# Allegro board 1155001-Timing_board_V3_20241024_1805_pcb.brd (continued)
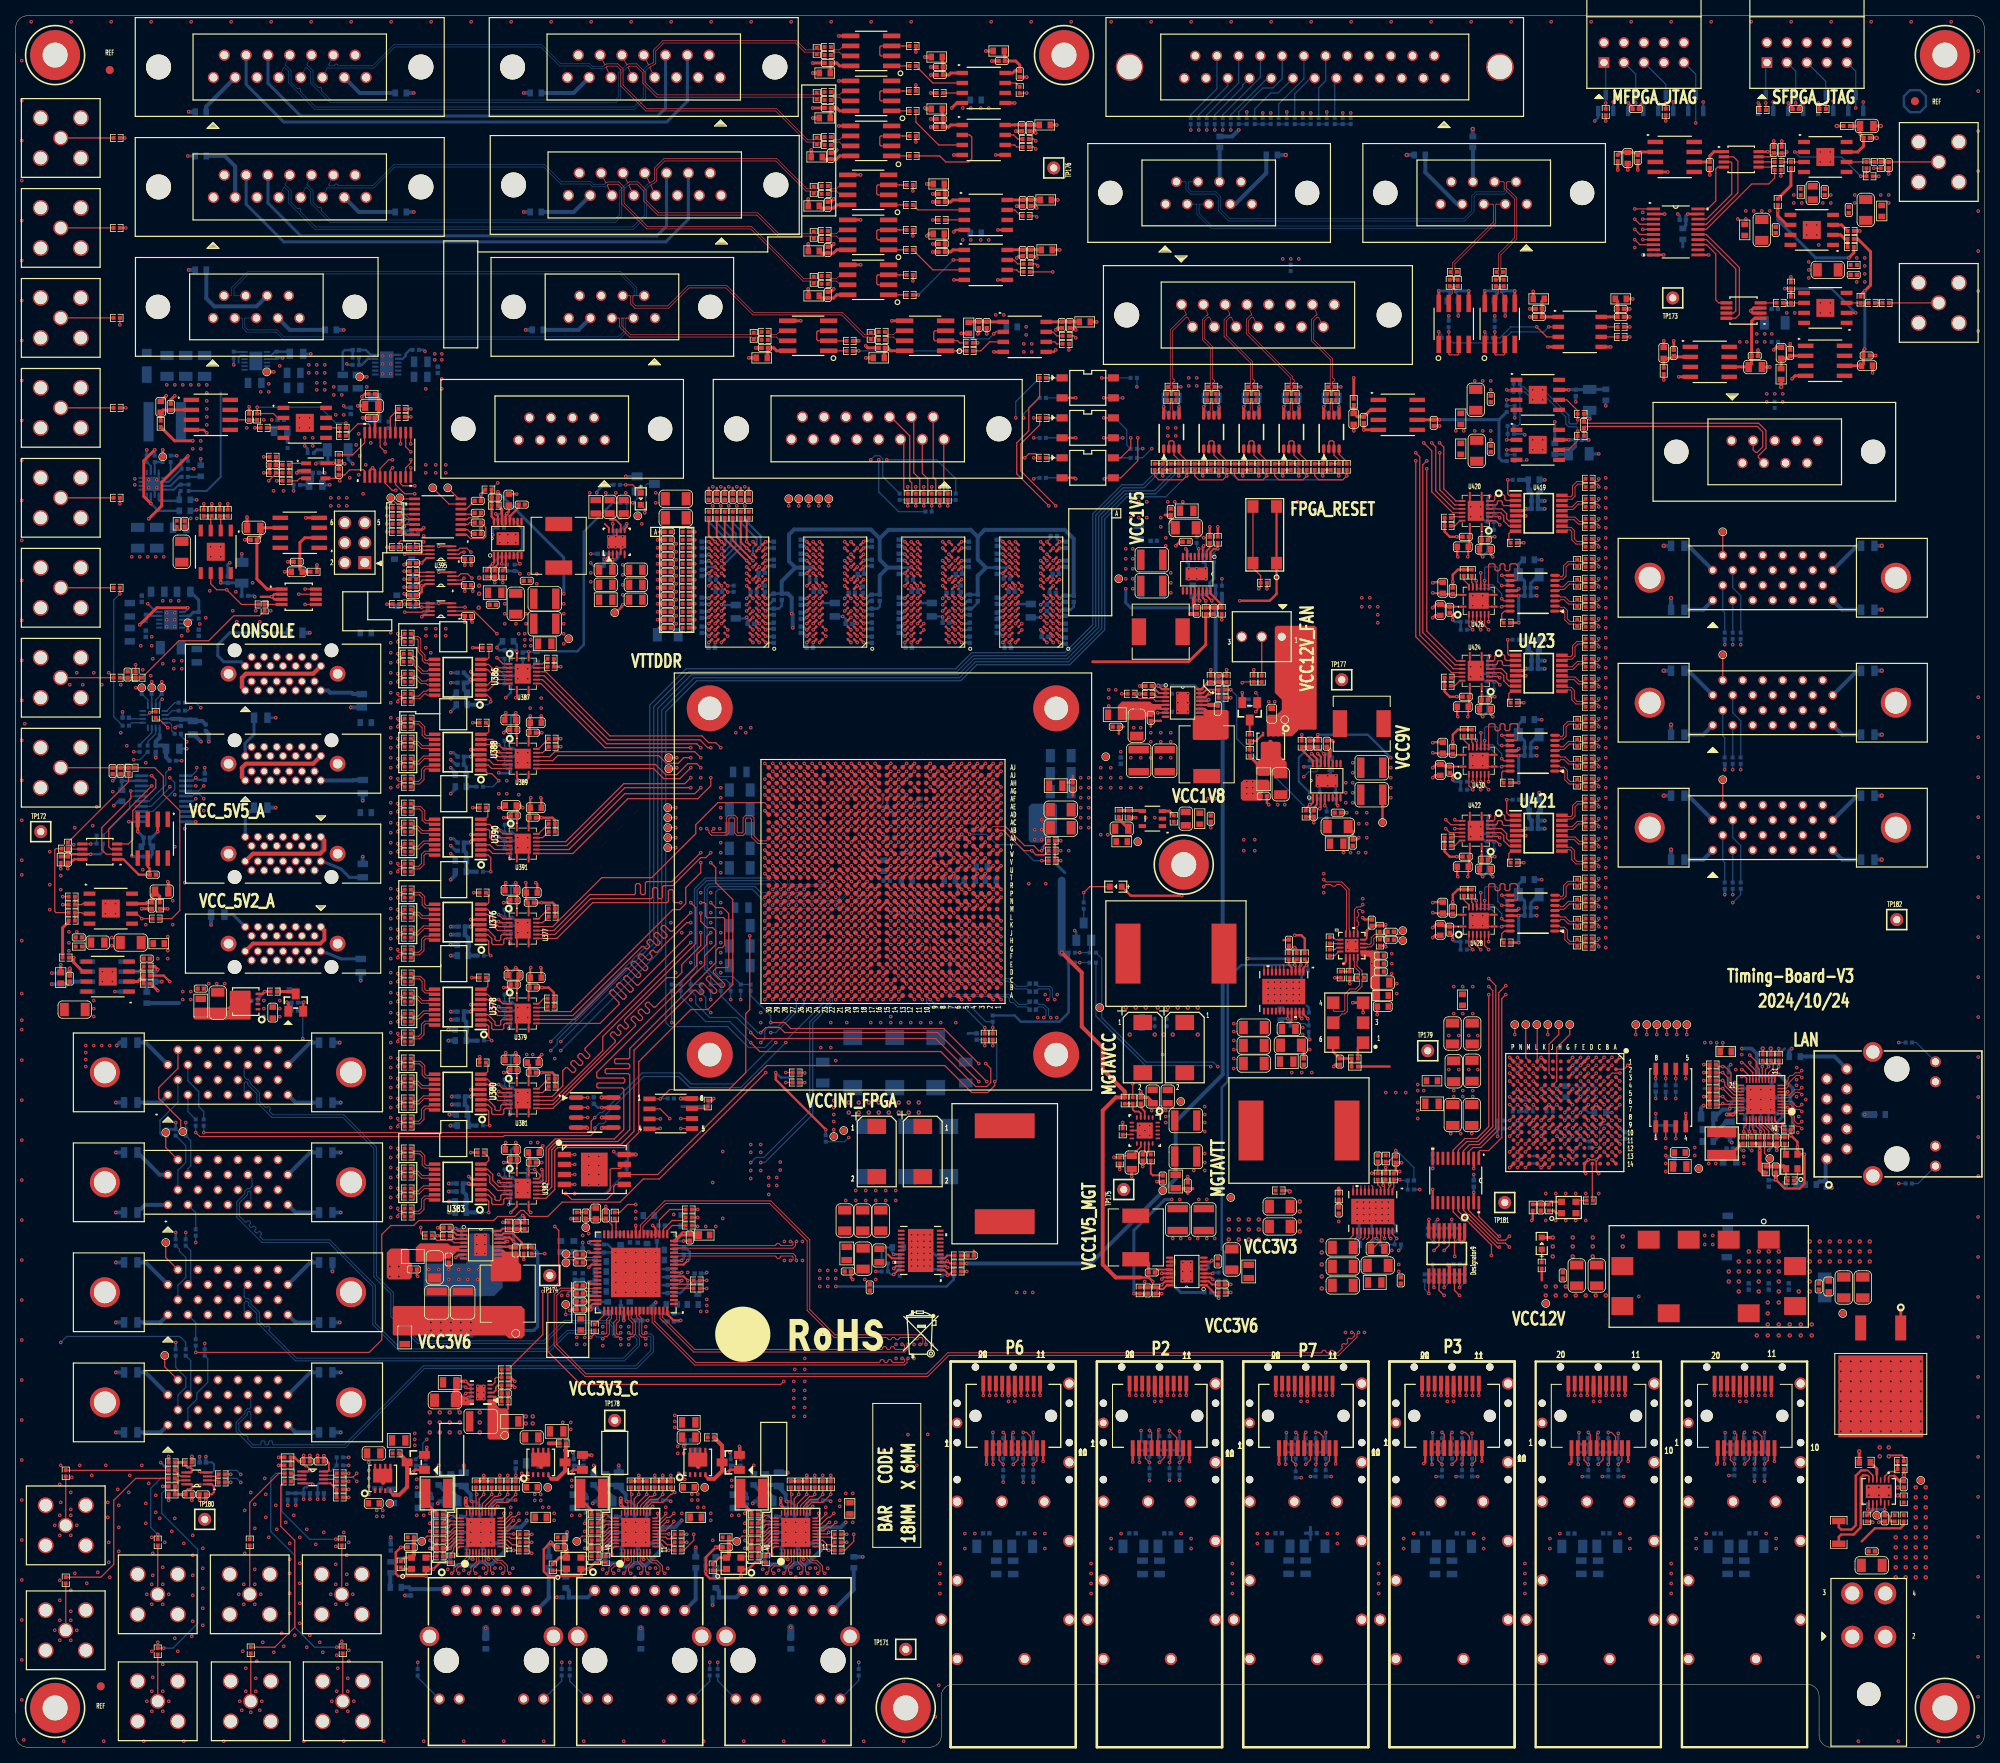
[diagram p0: board, top side]
## Routing (per net, layer and track width the routed paths; a pad name or vN(x,y) marks a point on that pad's centre or on a via; arc(x,y) is an arc through that point) (continued)
RF_SYNC_4_P: length 55
  TOP w0.157: v1(103.14,111) U247.U22 ; v1(85.72,107.31) 86.36,106.68 86.36,102.11 74.55,90.3 74.55,88.52 68.21,82.18 U381.12
  ART08 w0.102: v1(103.14,111) 102.63,110.49 101.98,110.49 101.35,109.86 101.35,109.22 100.52,108.4 94.81,108.4 94.61,108.2
  ART08 w0.117: 94.61,108.2 94.42,108.01 89.98,108.01 89.71,107.75 86.16,107.75 v1(85.72,107.31)
RF_SYNC_4_P_C: length 46.5
  TOP w0.122: v1(48.51,84.96) 48.51,84.74 48.64,84.62 49.04,84.62 R2928.2
  ART03 w0.099: v1(48.51,84.96) 48.18,84.63 47.37,84.63 45.64,82.89 45.64,82.47 46.05,82.06 46.05,81.92 45.77,81.64 45.63,81.64 45.22,82.05 44.8,82.05 44.31,81.57 44.31,81.14 44.73,80.73 44.73,80.59 44.44,80.31 44.3,80.31 43.89,80.72 43.47,80.72 42.99,80.24 42.99,79.82 43.4,79.41 43.4,79.27 43.12,78.99 42.98,78.99 42.57,79.4 42.14,79.4 41.66,78.92 41.66,78.49 42.07,78.08 42.07,77.94 41.79,77.66 41.65,77.66 41.24,78.07 40.82,78.07 37.76,75.01 37.76,66.44 36.44,65.12 32.5,65.12 29.59,62.21 29.59,60.33 30.48,59.44 30.48,57.13 J94.10
RF_SYNC_4_P_H: length 4.9
  TOP w0.157: U381.5 61.21,82.18 60.2,83.19 60.2,83.95 59.92,84.22 U380.6
RF_SYNC_5_N_C: length 38.6
  TOP w0.122: v1(201.04,156.08) 201.04,155.86 200.92,155.74 200.51,155.74 R3208.2
  ART10 w0.099: v1(201.04,156.08) 201.04,155.85 201.14,155.75 202.8,155.75 202.9,155.85 202.9,157.05 203.2,157.35 203.88,157.35 204.18,157.05 204.18,155.85 204.28,155.75 204.68,155.75 204.77,155.85 204.77,157.05 205.07,157.35 205.75,157.35 206.05,157.05 206.05,155.85 206.15,155.75 222.82,155.75 225.88,152.68 225.88,150.95 227.07,149.76 227.21,149.76 227.36,149.91 227.36,151.04 J112.23
RF_SYNC_5_P: length 190
  TOP w0.157: v1(179.83,165.74) 180.34,165.23 180.34,159.64 182.63,157.35 U420.12 ; U247.AA23 v1(102.14,116)
  ART05 w0.102: v1(102.14,116) 101.74,116.4 95.63,116.4
  ART05 w0.117: v1(179.83,165.74) 179.83,166.37 176.41,169.79 131.43,169.79 130.29,170.94 80.41,170.94 77.98,168.51 77.98,164.83 74.2,161.05 74.2,158.79 73.46,158.04 73.46,132.66 86.26,119.86 90.83,119.86 94.29,116.4 95.63,116.4
RF_SYNC_5_P_C: length 38.6
  TOP w0.122: v1(201.04,155.07) 201.04,155.29 200.92,155.41 200.51,155.41 R3207.2
  ART10 w0.099: v1(201.04,155.07) 201.38,155.4 202.94,155.4 203.24,155.7 203.24,156.91 203.34,157.01 203.74,157.01 203.84,156.91 203.84,155.7 204.14,155.4 204.82,155.4 205.12,155.7 205.12,156.91 205.22,157.01 205.61,157.01 205.71,156.91 205.71,155.7 206.01,155.4 222.67,155.4 225.54,152.54 225.54,150.8 226.92,149.42 227.26,149.42 227.36,149.32 227.36,148.04 J112.10
RF_SYNC_5_P_H: length 4.3
  TOP w0.157: U420.5 188.73,157.35 189.36,156.72 189.36,156.08 189.63,155.81 U419.6
RF_SYNC_6_N_C: length 38.2
  TOP w0.122: v1(201.04,115.44) 201.04,115.22 200.92,115.1 200.51,115.1 R3224.2
  ART10 w0.099: v1(201.04,115.44) 201.04,115.21 201.14,115.11 202.25,115.11 206.91,119.76 209.78,119.76 209.87,119.86 209.87,121.14 210.17,121.44 210.85,121.44 211.15,121.14 211.15,119.86 211.25,119.76 212.11,119.76 214.49,122.14 224.68,122.14 225.88,120.93 225.88,119.2 227.07,118.01 227.21,118.01 227.36,118.16 227.36,119.29 J113.23
RF_SYNC_6_P: length 171.3
  TOP w0.122: U247.AD24 v1(101.14,119)
  TOP w0.157: v1(182.75,116.71) U422.12
  ART05 w0.102: v1(101.14,119) 101.54,118.6 105.39,118.6 105.66,118.87 105.66,119.25 106.54,120.13 106.54,125.24 106.43,125.35
  ART05 w0.117: 106.43,125.35 106.17,125.6 106.17,126.75 93.31,139.61 87.75,139.61 87.17,140.18 87.17,153.59 88.05,154.47 129.94,154.47 131.01,155.55 135.15,155.55 138.86,151.84 142.63,151.84 144.74,149.73 147.34,149.73 147.98,149.1 160.02,149.1 177.8,131.32 177.8,121.06 181.54,117.32 182.14,117.32 v1(182.75,116.71)
RF_SYNC_6_P_C: length 38.2
  TOP w0.122: R3223.2 200.51,114.77 200.92,114.77 201.04,114.65 v1(201.04,114.43)
  ART10 w0.099: v1(201.04,114.43) 201.38,114.76 202.39,114.76 207.05,119.42 209.92,119.42 210.22,119.72 210.22,121 210.32,121.09 210.71,121.09 210.81,121 210.81,119.72 211.11,119.42 212.26,119.42 214.63,121.79 224.53,121.79 225.54,120.79 225.54,119.05 226.92,117.67 227.26,117.67 227.36,117.57 227.36,116.29 J113.10
RF_SYNC_6_P_H: length 4.3
  TOP w0.157: U421.6 189.63,115.17 189.36,115.44 189.36,116.08 188.73,116.71 U422.5
RF_SYNC_7_N_C: length 37.5
  TOP w0.122: v1(201.04,135.76) 201.04,135.54 200.92,135.42 200.51,135.42 R3240.2
  ART10 w0.099: v1(201.04,135.76) 201.04,135.53 201.14,135.43 202.28,135.43 205.58,138.73 213.04,138.73 213.14,138.83 213.14,139.55 213.44,139.85 214.07,139.85 214.42,139.5 214.42,138.83 214.52,138.73 214.91,138.73 215.01,138.83 215.01,139.55 215.31,139.85 215.94,139.85 216.29,139.5 216.29,138.83 216.39,138.73 223.96,138.73 225.88,136.8 225.88,135.07 227.07,133.89 227.21,133.89 227.36,134.04 227.36,135.17 J114.23
RF_SYNC_7_P: length 197.3
  TOP w0.122: U247.AE24 v1(101.14,120)
  TOP w0.157: v1(177.8,164.47) 178.31,163.96 178.31,141.3 182.58,137.03 U424.12
  ART05 w0.117: v1(101.14,120) 101.14,119.68 100.58,119.13 100.58,118.75 100.33,118.49 94.74,118.49 89.53,123.7 85.34,123.7 84.12,124.92 83.36,124.92 75.31,132.97 75.31,151.56 74.76,152.11 74.76,154.14 75.31,154.69 75.31,157.86 76.64,159.19 76.64,161.73 79.88,164.97 125.62,164.97 126.51,165.86 176.41,165.86 v1(177.8,164.47)
RF_SYNC_7_P_C: length 37.5
  TOP w0.122: v1(201.04,134.75) 201.04,134.97 200.92,135.09 200.51,135.09 R3239.2
  ART10 w0.099: J114.10 227.36,132.16 227.36,133.45 227.26,133.54 226.92,133.54 225.54,134.93 225.54,136.66 223.82,138.39 216.25,138.39 215.95,138.69 215.95,139.36 215.8,139.51 215.45,139.51 215.36,139.41 215.36,138.69 215.06,138.39 214.37,138.39 214.08,138.69 214.08,139.36 213.93,139.51 213.58,139.51 213.48,139.41 213.48,138.69 213.18,138.39 205.72,138.39 202.42,135.08 201.38,135.08 v1(201.04,134.75)
RF_SYNC_7_P_H: length 4.3
  TOP w0.157: U423.6 189.63,135.49 189.36,135.76 189.36,136.4 188.73,137.03 U424.5
RF_SYNC_LS: length 69.2
  TOP w0.122: U247.N22 v1(103.14,107)
  TOP w0.157: U396.2 58.21,144.35 61.09,141.48 v1(61.11,141.48)
  ART05 w0.102: v1(103.14,107) 102.7,107.44 99.82,107.44 99.57,107.7 99.57,108.33 99.3,108.6 95.74,108.6 95.72,108.63
  ART05 w0.117: v1(61.11,141.48) 61.11,141.45 61.72,140.84 61.72,136.4 64.26,133.86 64.26,130.05 85.22,109.09 95.25,109.09 95.72,108.63
RS422_MOTOR_RX_N: length 13.2
  TOP w0.089: J127.7 165.27,182.1 165.23,181.98 165.23,181.98 165.07,181.9 164.55,181.38 164.55,178.69 166.95,176.3 166.95,173.11 R3134.2 166.95,172.6 166.95,172.34 R3291.2
RS422_MOTOR_RX_P: length 13.1
  TOP w0.089: R3292.2 167.24,172.34 167.24,172.6 R3134.1 167.24,173.11 167.24,173.46 167.33,173.55 167.4,173.55 167.49,173.64 167.49,173.82 167.4,173.91 167.33,173.91 167.24,174 167.24,176.42 164.85,178.82 164.85,181.26 165.24,181.66 165.36,181.71 165.47,181.67 J127.15
RS422_MOTOR_TX_N: length 13.6
  TOP w0.089: J127.3 154.19,182.1 154.15,181.98 154.15,181.98 153.99,181.9 153.46,181.37 153.46,179.25 156.79,175.91 156.79,173.11 R3354.2 156.79,172.6 156.79,172.34 R3356.2
RS422_MOTOR_TX_P: length 13.5
  TOP w0.089: J127.11 154.39,181.67 154.28,181.71 154.16,181.66 153.75,181.25 153.75,179.37 157.09,176.03 157.09,173.84 157.18,173.75 157.26,173.75 157.35,173.66 157.35,173.48 157.26,173.39 157.18,173.39 157.09,173.3 157.09,173.1 R3354.1 157.08,172.6 157.08,172.34 R3357.2
S_FPGA_CLK: length 4.7
  TOP w0.157: U88.D14 200.22,69.54 R669.2
S_FPGA_QSPI_CLK: length 12.6
  TOP w0.157: U88.A8 v1(203.72,79.65)
  ART10 w0.117: v1(203.72,79.65) 209.73,79.65 209.85,79.76 209.85,80.27 209.96,80.39 210.2,80.39 210.31,80.27 210.31,79.76 210.43,79.65 210.7,79.65 210.82,79.76 v1(210.82,82.42)
  BOTTOM w0.157: R670.2 v1(210.82,82.42)
S_FPGA_QSPI_CS_B: length 17.1
  TOP w0.157: v1(201.72,77.63) 201.71,77.63 U88.C11 ; U89.1 v1(208.28,77.34)
  ART10 w0.117: v1(208.28,77.34) 207.39,76.45 207.39,75.94 207.27,75.82 206.94,75.82 206.83,75.94 206.83,76.62 206.71,76.73 206.48,76.73 206.36,76.62 206.36,75.94 206.24,75.82 206.01,75.82 205.89,75.94 205.89,76.62 205.77,76.73 205.54,76.73 205.42,76.62 205.42,75.94 205.31,75.82 205.07,75.82 204.96,75.94 204.96,76.62 204.84,76.73 204.61,76.73 204.49,76.62 204.49,76.19 204.37,76.07 201.55,76.07 201.22,76.4 201.22,77.12 v1(201.72,77.63)
  BOTTOM w0.157: R658.2 v1(208.28,77.34)
S_FPGA_QSPI_MISO0: length 17.1
  TOP w0.157: U88.B11 v1(201.72,76.64) ; U89.5 v1(212.09,84.96)
  ART10 w0.117: v1(201.72,76.64) 202.17,77.09 202.17,77.96 202.44,78.23 202.95,78.23 203.2,78.49 203.2,79.88 203.58,80.26 206.76,80.26 209.42,82.93 210.06,82.93 v1(212.09,84.96)
S_FPGA_QSPI_MISO1: length 16.5
  TOP w0.157: U89.2 v1(209.55,77.34) ; U88.B12 202.22,76.15 v1(202.72,76.65)
  ART10 w0.117: v1(209.55,77.34) 208.89,78 207.45,78 207.33,77.89 207.33,77.21 207.22,77.09 206.98,77.09 206.87,77.21 206.87,78.14 206.75,78.26 206.52,78.26 206.4,78.14 206.4,77.21 206.28,77.09 206.05,77.09 205.93,77.21 205.93,78.14 205.82,78.26 205.58,78.26 205.46,78.14 205.46,77.21 205.35,77.09 205.11,77.09 205,77.21 205,78.14 204.88,78.26 204.65,78.26 204.53,78.14 204.53,77.21 204.41,77.09 203.17,77.09 v1(202.72,76.65)
S_FPGA_QSPI_MISO2: length 16.8
  TOP w0.157: U89.3 v1(210.82,77.34) ; U88.D10 v1(200.72,77.65)
  ART10 w0.117: v1(200.72,77.65) 200.28,77.2 200.28,76.45 200.66,76.07 201.04,76.07 201.17,75.95 201.17,75.44 201.42,75.18 207.65,75.18 209.3,76.83 210.31,76.83 v1(210.82,77.34)
  BOTTOM w0.157: R659.2 v1(210.82,77.34)
S_FPGA_QSPI_MISO3: length 18.2
  TOP w0.157: U88.C10 v1(201.72,78.64) ; U89.7 v1(209.55,84.96)
  ART10 w0.117: v1(209.55,84.96) 206.51,81.93 206.51,80.74 206.4,80.62 206.16,80.62 206.05,80.74 206.05,81.29 205.93,81.41 205.7,81.41 205.58,81.29 205.58,80.74 205.46,80.62 205.23,80.62 205.11,80.74 205.11,81.29 205,81.41 204.76,81.41 204.64,81.29 204.64,80.74 204.53,80.62 204.29,80.62 204.18,80.74 204.18,81.04 204.06,81.15 202.44,81.15 202.18,80.9 202.18,79.11 v1(201.72,78.64)
  BOTTOM w0.157: R660.2 v1(209.55,84.96)
S_FPGA_TCK: length 148.5
  TOP w0.157: U88.A7 v1(203.72,81.64) ; v1(222.25,208.91) 222.27,208.9 R668.2
  ART10 w0.117: v1(222.25,208.91) 217.93,204.6 217.93,175.64 204.34,162.05 200.03,162.05 198.63,160.66 198.63,96.01 203.2,91.44 203.2,82.17 v1(203.72,81.64)
  BOTTOM w0.157: J56.1 222.25,213.91 v1(222.25,208.91)
S_FPGA_TDI: length 165.1
  TOP w0.157: U88.P7 v1(189.72,81.64)
  ART10 w0.117: v1(189.72,81.64) 189.23,82.14 189.23,90.8 197.49,99.06 197.49,161.13 199.55,163.19 203.87,163.19 216.79,176.11 216.79,206.21 220.89,210.31 230.63,210.31 232.66,208.28 v1(233.68,208.28)
  BOTTOM w0.157: v1(233.68,208.28) 233.68,212.94 J56.9
S_FPGA_TDO: length 154.5
  TOP w0.157: U88.P6 v1(189.72,82.64)
  ART10 w0.117: v1(226.06,208.91) 225.04,209.93 221.05,209.93 217.17,206.06 217.17,175.96 204.03,162.81 199.71,162.81 197.87,160.97 197.87,98.93 191.17,92.24 191.17,89.12 190.25,88.19 190.25,83.17 v1(189.72,82.64)
  BOTTOM w0.157: J56.3 226.06,212.94 v1(226.06,208.91)
S_FPGA_TMS: length 158.7
  TOP w0.157: U88.M6 v1(191.72,82.64) ; v1(229.87,208.91) 229.89,208.9 R667.2
  ART10 w0.117: v1(191.72,82.64) 192.28,83.2 192.28,92.84 198.25,98.81 198.25,160.81 199.87,162.43 204.19,162.43 217.55,175.8 217.55,205.9 221.2,209.55 223.65,209.55 224.92,208.28 229.24,208.28 v1(229.87,208.91)
  BOTTOM w0.157: v1(229.87,208.91) 229.87,211.67 J56.5
SAFETY_IN1: length 105.1
  TOP w0.157: R2183.1 130.03,171.56 128.65,170.18 128.65,167.26 127.13,165.74 127.13,161.8 v1(131.19,157.73) ; U247.D16 v1(109.14,98)
  ART08 w0.102: v1(109.14,98) 108.74,98.4 108.74,104.17 108.97,104.4 109.73,104.4 109.93,104.6
  ART08 w0.117: v1(131.19,157.73) 131.7,158.24 132.33,158.24 136.78,153.8 136.78,130.93 132.49,126.65 132.49,118.01 130.56,116.08 128.52,116.08 126.95,114.5 117.93,114.5 117.64,114.21 117.64,110.91 116.33,109.6 111,109.6 110.49,109.09 110.49,105.16 109.93,104.6
SAFETY_IN1+: length 48.7
  TOP w0.157: v1(137.92,173.99) U280.4
  ART03 w0.117: v1(154.31,205.49) 152.56,207.23 144.51,207.23 141.1,203.82 141.1,188.09 137.92,184.91 v1(137.92,173.99)
  BOTTOM w0.157: R2162.1 v1(154.31,205.49)
SAFETY_IN1-: length 49.3
  TOP w0.157: U280.3 v1(138.18,171.45)
  ART03 w0.117: v1(153.29,205.49) 151.88,206.9 144.68,206.9 141.45,203.67 141.45,187.84 138.43,184.82 138.43,171.7 v1(138.18,171.45)
  BOTTOM w0.157: R2167.1 v1(153.29,205.49)
SAFETY_IN2: length 99.1
  TOP w0.157: R2352.1 130.03,168 127.64,165.61 127.64,162.18 v1(132.08,157.73) ; U247.C16 v1(109.14,97)
  ART08 w0.102: 109.73,104.78 109.55,104.6 108.79,104.6 108.54,104.35 108.54,97.6 v1(109.14,97)
  ART08 w0.117: v1(132.08,157.73) 136.27,153.54 136.27,131.06 131.95,126.75 131.95,118.62 130.43,117.09 128.78,117.09 127.18,115.5 116.9,115.5 116.64,115.24 116.64,114.73 116.4,114.5 115.9,114.5 115.64,114.24 115.64,110.81 115.32,110.49 111.12,110.49 109.73,109.09 109.73,104.78
SAFETY_IN2+: length 50.3
  TOP w0.157: U303.4 v1(138.18,168.91)
  ART03 w0.117: v1(138.18,168.91) 138.81,169.54 138.81,184.66 141.81,187.66 141.81,203.53 144.85,206.57 151.19,206.57 v1(152.27,205.49)
  BOTTOM w0.157: R2163.1 v1(152.27,205.49)
SAFETY_IN2-: length 51.2
  TOP w0.157: U303.3 v1(138.18,166.37)
  ART03 w0.117: v1(151.26,205.49) 150.5,206.25 145.03,206.25 142.16,203.38 142.16,187.5 139.19,184.53 139.19,167.39 v1(138.18,166.37)
  BOTTOM w0.157: R2166.1 v1(151.26,205.49)
SAFETY_IN3: length 179.2
  TOP w0.157: U247.G18 v1(107.14,101) ; v1(128.14,163.83) 128.65,164.34 129.52,164.34 R2353.1
  ART03 w0.117: v1(128.14,163.83) 127.96,164.01 74.55,164.01 68.65,158.12 60.33,158.12 55.39,153.18 55.39,143.43 56.9,141.92 56.9,138.18 59.18,135.89 59.18,132.28 59.92,131.55 59.92,119.53 62.74,116.71 67.69,116.71 87.25,97.16 90.81,97.16 v1(94.61,93.34)
  ART05 w0.117: v1(94.61,93.34) 100.33,93.34 101.6,94.61 101.6,96.14 101.98,96.52 102.36,96.52 102.62,96.77 102.62,97.16 103,97.54 103.38,97.54 103.63,97.79 103.63,98.3 103.89,98.55 104.52,98.55 104.65,98.68 104.65,99.31 104.9,99.57 105.41,99.57 105.66,99.82 105.66,100.3 105.86,100.5 106.64,100.5 v1(107.14,101)
SAFETY_IN3+: length 52
  TOP w0.157: v1(141.6,166.37) 141.6,165.1 140.34,163.83 U304.4
  ART03 w0.117: v1(141.6,166.37) 141.35,166.62 141.35,177.67 143.54,179.86 143.54,186.18 142.52,187.2 142.52,203.23 145.21,205.92 149.81,205.92 v1(150.24,205.49)
  BOTTOM w0.157: R2164.1 v1(150.24,205.49)
SAFETY_IN3-: length 53.3
  TOP w0.157: v1(142.49,166.37) 142.49,163.45 140.34,161.29 U304.3
  ART03 w0.117: v1(149.22,205.49) 145.29,205.49 142.88,203.07 142.88,187.35 143.89,186.33 143.89,179.71 141.73,177.55 141.73,167.13 v1(142.49,166.37)
  BOTTOM w0.157: R2165.1 v1(149.22,205.49)
SAFETY_OUT1: length 213.3
  TOP w0.157: U247.F18 v1(107.14,100)
  ART03 w0.117: v1(172.97,144.91) 172.16,144.09 172.16,142.47 176.52,138.11 176.52,115.33 167.63,106.43 134.25,106.43 126.37,98.55 109.56,98.55 108.61,99.5 107.64,99.5 v1(107.14,100)
  ART08 w0.117: v1(172.97,144.91) 172.34,144.27 169.99,144.27 155.19,159.07 155.19,172.87 142.11,185.95 142.11,203.71 144.78,206.38 168.28,206.38 v1(169.54,207.65)
  BOTTOM w0.157: R2186.2 v1(169.54,207.65)
SAFETY_OUT1+: length 2
  BOTTOM w0.157: R2359.1 R2184.2 R2186.1
SAFETY_OUT1-: length 1
  BOTTOM w0.157: R2185.2 R2362.1
SAFETY_OUT2: length 207.3
  TOP w0.157: U247.C17 v1(108.14,97)
  ART03 w0.117: v1(172.97,143.89) 172.52,143.43 172.52,142.57 176.82,138.27 176.82,115.17 167.76,106.11 134.38,106.11 125.8,97.54 108.67,97.54 v1(108.14,97)
  ART08 w0.117: v1(172.97,143.89) 169.83,143.89 154.81,158.91 154.81,172.71 141.73,185.79 141.73,203.87 144.62,206.76 163.58,206.76 v1(164.47,207.65)
  BOTTOM w0.157: R2189.2 v1(164.47,207.65)
SAFETY_OUT2+: length 2
  BOTTOM w0.157: R2358.1 R2187.2 R2189.1
SAFETY_OUT2-: length 1
  BOTTOM w0.157: R2361.1 R2188.2
SAFETY_OUT3: length 203.1
  TOP w0.157: U247.B17 v1(108.14,96)
  ART03 w0.117: v1(172.97,142.88) 177.11,138.73 177.11,115.01 167.89,105.79 134.51,105.79 125.24,96.52 108.66,96.52 v1(108.14,96)
  ART08 w0.117: v1(159.38,207.65) 158.88,207.14 144.46,207.14 141.35,204.02 141.35,185.63 154.43,172.55 154.43,158.75 169.67,143.51 172.34,143.51 v1(172.97,142.88)
  BOTTOM w0.157: R2355.2 v1(159.38,207.65)
SAFETY_OUT3+: length 2
  BOTTOM w0.157: R2357.1 R2354.2 R2355.1
SAFETY_OUT3-: length 1
  BOTTOM w0.157: R2360.1 R2356.2
SFP_MGT_REFCLK0_C_N: length 15
  TOP w0.122: U247.G7 v1(119.14,101)
  BOTTOM w0.102: 125.64,97.67 125.61,97.67 125.55,97.6 118.84,97.6 118.74,97.7 118.74,100.9 118.84,101 v1(119.14,101)
  BOTTOM w0.122: C989.1 128.42,96.69 127.12,96.69 126.14,97.67 125.64,97.67
SFP_MGT_REFCLK0_C_P: length 15.3
  TOP w0.122: U247.G8 v1(118.14,101)
  BOTTOM w0.102: 125.64,97.33 125.61,97.33 125.55,97.4 118.76,97.4 118.54,97.62 118.54,100.9 118.43,101 v1(118.14,101)
  BOTTOM w0.122: 125.64,97.33 126.01,97.33 126.99,96.35 128.42,96.35 C990.1
SFP_MGT_REFCLK0_N: length 79.3
  TOP w0.122: v1(99.15,61.85) 99.05,61.95 99.05,62.43 98.73,62.74 84.12,62.74 84.03,62.83 U105.14
  ART03 w0.099: v1(99.15,61.85) 98.94,62.06 98.94,62.29 99.99,63.33 100.4,63.33 100.97,63.9 100.97,65.79 109.13,73.95 109.13,87.08 111.68,89.64 120.37,89.64 121.41,90.68 127,90.68 128.11,91.79 132.6,91.79 132.99,92.18 132.99,92.98 131.68,94.3 131.68,94.72 v1(131.95,95)
  BOTTOM w0.122: v1(131.95,95) 131.67,95.28 131.67,96.37 131.36,96.69 129.9,96.69 C989.2
SFP_MGT_REFCLK0_P: length 79.3
  TOP w0.122: v1(98.39,61.85) 98.6,61.85 98.72,61.97 98.72,62.29 98.6,62.41 97.21,62.41 97.09,62.29 97.09,62.22 96.96,62.1 96.72,62.1 96.6,62.22 96.6,62.29 96.48,62.41 84.12,62.41 84.03,62.32 U105.13
  ART03 w0.099: v1(98.39,61.85) 98.6,62.06 98.6,62.43 98.7,62.54 98.7,62.68 98.67,62.71 98.67,62.85 98.81,62.99 98.95,62.99 98.99,62.96 99.13,62.96 99.27,63.1 99.27,63.24 99.23,63.27 99.23,63.42 99.37,63.56 99.51,63.56 99.55,63.52 99.69,63.52 99.85,63.68 100.25,63.68 100.62,64.05 100.62,65.93 108.79,74.09 108.79,87.23 111.54,89.98 120.23,89.98 121.27,91.02 126.86,91.02 127.97,92.13 132.46,92.13 132.65,92.32 132.65,92.84 131.34,94.15 131.34,94.72 v1(131.06,95)
  BOTTOM w0.122: C990.2 129.9,96.35 131.22,96.35 131.34,96.23 131.34,95.28 v1(131.06,95)
SFP_MGT_REFCLK1_C_N: length 13.1
  TOP w0.122: U247.C7 v1(119.14,97)
  BOTTOM w0.102: 125.64,95.67 125.61,95.67 125.55,95.6 118.9,95.6 118.74,95.76 118.74,96.9 118.84,97 v1(119.14,97)
  BOTTOM w0.122: C967.1 128.42,94.4 127.38,94.4 126.11,95.67 125.64,95.67
SFP_MGT_REFCLK1_C_P: length 13.6
  TOP w0.122: U247.C8 v1(118.14,97)
  BOTTOM w0.102: 125.64,95.33 125.61,95.33 125.55,95.4 118.81,95.4 118.54,95.67 118.54,96.9 118.43,97 v1(118.14,97)
  BOTTOM w0.122: 125.64,95.33 125.98,95.33 126.21,95.1 126.21,94.8 126.4,94.61 126.7,94.61 127.24,94.07 128.42,94.07 C968.1
SFP_MGT_REFCLK1_N: length 73.7
  TOP w0.122: v1(98.39,64.26) 98.58,64.26 98.71,64.14 98.71,63.86 98.58,63.74 97.17,63.74 97.05,63.86 97.05,63.89 96.93,64.01 96.68,64.01 96.56,63.89 96.56,63.86 96.44,63.74 84.12,63.74 84.03,63.83 U105.16
  ART03 w0.099: v1(131.44,92.71) 131.17,92.98 131.17,93.39 130.84,93.73 126.06,93.73 125.16,92.82 118.99,92.82 117.49,91.33 110.91,91.33 107.53,87.95 107.53,74.23 98.6,65.3 98.6,64.47 v1(98.39,64.26)
  BOTTOM w0.122: C967.2 129.9,94.4 130.57,94.4 131.17,93.8 131.17,92.99 v1(131.44,92.71)
SFP_MGT_REFCLK1_P: length 73.8
  TOP w0.122: U105.15 84.03,63.32 84.12,63.41 98.72,63.41 99.04,63.73 99.04,64.15 v1(99.15,64.26)
  ART03 w0.099: v1(130.56,92.71) 130.83,92.98 130.83,93.25 130.69,93.38 129.45,93.38 129.35,93.28 129.35,93.16 129.25,93.07 129.06,93.07 128.96,93.16 128.96,93.28 128.86,93.38 128.66,93.38 128.56,93.28 128.56,93.16 128.46,93.07 128.26,93.07 128.16,93.16 128.16,93.28 128.06,93.38 127.87,93.38 127.77,93.28 127.77,93.16 127.67,93.07 127.47,93.07 127.37,93.16 127.37,93.28 127.27,93.38 127.07,93.38 126.97,93.28 126.97,93.16 126.88,93.07 126.68,93.07 126.58,93.16 126.58,93.28 126.48,93.38 126.2,93.38 125.3,92.48 119.13,92.48 117.63,90.98 111.05,90.98 107.87,87.81 107.87,74.09 98.94,65.16 98.94,64.47 v1(99.15,64.26)
  BOTTOM w0.122: v1(130.56,92.71) 130.84,92.99 130.84,93.67 130.43,94.07 129.9,94.07 C968.2
SFPGA_25M_OSC_ETH: length 4
  TOP w0.157: R858.2 C865.1 223.65,77.74 222.21,79.18 U93.37
SFPGA_ETH_INTB: length 48.1
  TOP w0.157: U88.P10 v1(189.72,77.65)
  ART03 w0.117: v1(220.47,75.82) 220.47,74.3 219.58,73.41 216.79,73.41 212.77,69.39 210.36,69.39 207.39,66.42 193.68,66.42 187.83,72.26 187.83,75.75 v1(189.72,77.65)
  BOTTOM w0.157: R852.2 220.33,75.82 v1(220.47,75.82)
SFPGA_ETH_LED0: length 3.5
  TOP w0.157: v1(220.17,78.23) 220.17,78.95 220.21,78.99 U93.32
  BOTTOM w0.157: R875.1 219.58,78.82 v1(220.17,78.23) 220.47,77.93 R867.2
SFPGA_ETH_LED1: length 32.6
  TOP w0.157: U93.33 220.62,78.5 v1(220.88,78.23)
  ART08 w0.117: v1(239.14,89.53) 239.14,91.06 238,92.2 231.27,92.2 225.04,85.98 225.04,84.2 224.41,83.57 224.41,81.76 v1(220.88,78.23)
  BOTTOM w0.157: R866.2 221.49,77.63 v1(220.88,78.23) 220.6,78.52 R874.1 ; R835.1 v1(239.14,89.53)
SFPGA_ETH_LED2: length 29.3
  TOP w0.157: U93.34 221.02,78.95 221.59,78.37 v1(221.59,78.23) 221.59,77.59 R865.2
  ART08 w0.117: v1(221.59,78.23) 222.12,77.7 222.12,71.75 223.77,70.1 237.62,70.1 v1(239.14,71.63)
  BOTTOM w0.157: v1(221.59,78.23) 221.6,78.23 221.6,78.96 R873.1 ; R834.1 v1(239.14,71.63)
SFPGA_ETH_RESET_B: length 58.3
  TOP w0.157: U88.N11 v1(190.72,76.65) ; v1(223.9,88.77) R853.2
  ART03 w0.102: v1(190.72,76.65) 189.95,76.65
  ART03 w0.117: v1(223.9,88.77) 223.39,88.27 223.39,80.52 222.25,79.38 219.33,79.38 218.95,78.99 218.95,74.17 218.57,73.79 216.63,73.79 213.71,70.87 189.74,70.87 188.21,72.39 188.21,74.9 189.95,76.65
SFPGA_ETH_TD_M_A: length 12.7
  TOP w0.122: v1(226.82,79.5) 226.54,79.22 226.26,79.22 225.91,79.58 225.91,80.15 225.2,80.86 224.52,80.86 224.49,80.9 U93.2
  ART10 w0.099: v1(226.82,79.5) 227.1,79.23 227.53,79.23 228.31,78.45 228.31,76.46 228.67,76.1 230.77,76.1 230.86,76.19 231.17,76.82 231.04,77.21 230.93,77.29 J6.3
SFPGA_ETH_TD_M_B: length 13.6
  TOP w0.122: v1(226.82,81.66) 226.54,81.38 226.19,81.38 225.51,82.06 224.52,82.06 224.49,82.1 U93.5
  ART08 w0.099: v1(226.82,81.66) 227.1,81.39 227.53,81.39 228.47,80.44 228.47,79.73 229.42,78.78 230.69,78.78 231.09,79.17 231.09,80.46 231.34,80.71 231.46,80.79 231.49,80.82 231.51,80.95 231.36,81.18 231.36,81.72 230.7,82.37 J6.7
SFPGA_ETH_TD_M_C: length 12.8
  TOP w0.122: v1(226.82,83.82) 226.54,83.54 225.91,83.54 225.23,82.86 224.52,82.86 224.49,82.9 U93.7
  ART10 w0.099: J6.6 231.52,80.59 231.39,80.63 231.3,80.81 231.09,81.02 231.09,81.51 231.61,82.03 231.61,83.35 231.08,83.88 228.69,83.88 228.35,83.55 227.1,83.55 v1(226.82,83.82)
SFPGA_ETH_TD_M_D: length 13.5
  TOP w0.122: U93.10 224.49,84.1 224.52,84.06 224.71,84.06 224.83,84.18 224.83,84.53 225.09,84.79 225.09,85.08 225.35,85.34 225.65,85.34 226,85.7 226.54,85.7 v1(226.82,85.98)
  ART08 w0.099: J6.9 231.04,84.4 231.08,84.27 231.05,84.19 230.64,83.78 228.94,83.78 228.84,83.88 228.84,86.4 228.54,86.7 227.72,86.7 227.42,86.4 227.42,85.74 227.33,85.62 226.92,85.62 226.82,85.72 v1(226.82,85.98)
SFPGA_ETH_TD_P_A: length 12.7
  TOP w0.122: v1(226.82,78.61) 226.54,78.89 226.13,78.89 225.58,79.44 225.58,80.02 225.06,80.53 224.52,80.53 224.49,80.5 U93.1
  ART10 w0.099: v1(226.82,78.61) 227.1,78.89 227.38,78.89 227.97,78.3 227.97,76.32 228.53,75.76 230.91,75.76 231.14,75.99 231.39,76.49 231.52,76.54 J6.2
SFPGA_ETH_TD_P_B: length 13.6
  TOP w0.122: U93.4 224.49,81.7 224.52,81.73 225.37,81.73 226.05,81.05 226.54,81.05 v1(226.82,80.77)
  ART08 w0.099: J6.4 232.68,79.2 231.81,80.5 231.67,80.52 231.56,80.45 231.43,80.32 231.43,79.03 230.84,78.44 229.28,78.44 228.13,79.59 228.13,80.3 227.38,81.05 227.1,81.05 v1(226.82,80.77)
SFPGA_ETH_TD_P_C: length 12.7
  TOP w0.122: U93.6 224.49,82.5 224.52,82.53 225.36,82.53 226.04,83.21 226.54,83.21 v1(226.82,82.93)
  ART10 w0.099: v1(226.82,82.93) 227.1,83.2 228.49,83.2 228.83,83.54 230.94,83.54 231.27,83.21 231.27,82.17 230.75,81.65 230.75,80.88 231.02,80.6 231.08,80.48 231.08,79.96 230.96,79.83 J6.5
SFPGA_ETH_TD_P_D: length 13.6
  TOP w0.122: U93.9 224.49,83.7 224.52,83.73 224.85,83.73 225.16,84.05 225.16,84.39 226.14,85.37 226.54,85.37 v1(226.82,85.09)
  ART08 w0.099: v1(226.82,85.09) 227.01,85.28 227.51,85.28 227.76,85.63 227.76,86.26 227.86,86.36 228.4,86.36 228.5,86.26 228.5,83.74 228.8,83.44 230.78,83.44 231.33,83.99 231.39,84.11 231.52,84.16 J6.8
SFPGA_RGMII_MDC: length 47.7
  TOP w0.157: v2(222.88,88.77) R854.2 ; U88.H13 v1(196.72,74.65)
  ART03 w0.117: v1(196.72,74.65) 196.72,74.31 196.84,74.19 198.2,74.19 198.31,74.31 198.31,75.52 198.43,75.64 198.66,75.64 198.78,75.52 198.78,74.31 198.9,74.19 201.27,74.19 201.38,74.31 201.38,74.56 201.5,74.68 201.73,74.68 201.85,74.56 201.85,74.31 201.97,74.19 203.51,74.19 205.23,75.92 205.23,76.8 206.71,78.28 206.71,82.12 209.09,84.51 209.09,86.14 213.04,90.09 219.79,90.09 221.13,88.75 221.13,87.11 221.25,87 221.68,87 221.8,87.11 221.8,88.1 221.92,88.21 222.15,88.21 222.27,88.1 222.27,87.11 222.38,87 222.77,87 222.88,87.11 v2(222.88,88.77)
